# KiCad board PC110.kicad_pcb (continued)
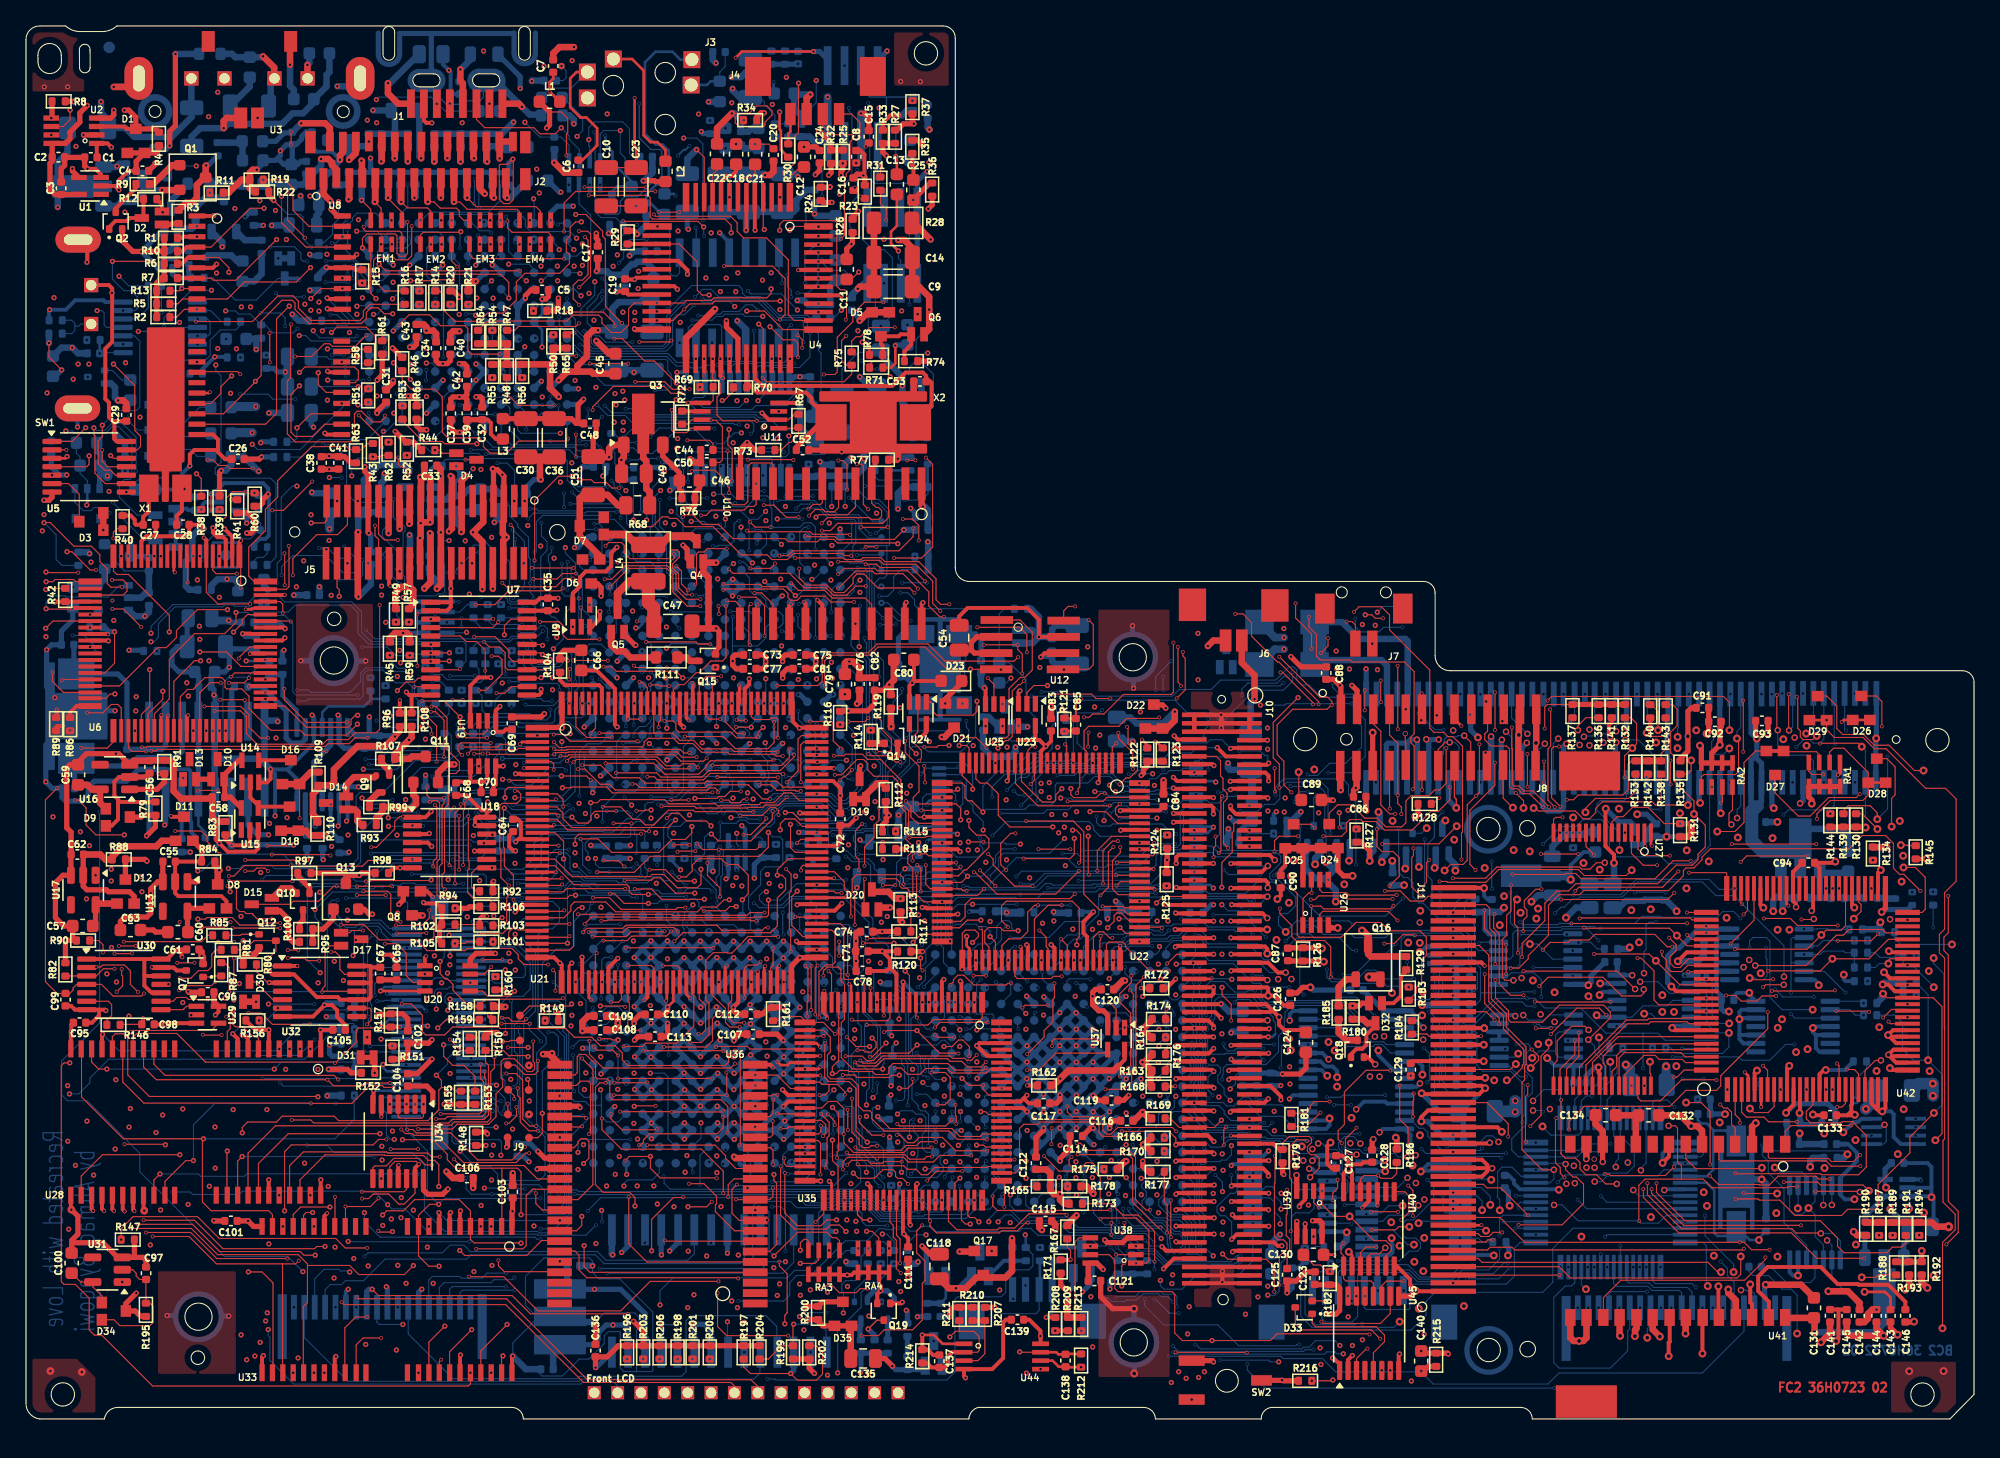
[diagram p0: board, top side]
## Routing (per net, layer and track width the routed paths; a pad name or vN(x,y) marks a point on that pad's centre or on a via; arc(x,y) is an arc through that point) (continued)
CPU_BS16#: length 67.3
  BC1 w0.08: v7(28.96,74.41) 28.67,74.12 28.67,72.43 28.31,72.07 v7(28.31,70.88) ; v7(41.14,40.9) 41.58,40.46 41.58,37.6 41.28,37.3 41.28,35.91 41.57,35.62 41.57,33.62 42.12,33.07 v7(42.86,33.07) ; v7(29.16,61.31) 29.51,61.31 29.7,61.12 29.7,58.46 30.26,57.9 30.26,56.82 29.95,56.51 29.95,54.94 29.64,54.63 29.64,53.76 29.05,53.17 29.05,52.11 29.72,51.44 v7(29.72,41.98) ; v7(28.95,75.71) 28.95,76.28 28.74,76.49 26.88,76.49 26.05,77.32 26.05,77.88 26.29,78.12 27.65,78.12 v7(28.56,79.03)
  BC2 w0.08: v7(29.16,61.31) 28.57,61.9 28.57,63.53 29.17,64.13 29.17,64.88 29.05,65 29.05,68.29 29.2,68.44 29.2,68.74 28.89,69.05 28.73,69.05 28.31,69.47 v7(28.31,70.88) ; v7(28.96,74.41) 28.95,74.42 v7(28.95,75.71) ; v7(28.56,79.03) U51.C11 ; v7(42.86,33.07) 43.5,33.07 43.7,32.87 U76.A6 ; v7(29.72,41.98) 35.27,41.98 35.45,41.8 35.45,41.25 35.79,40.91 41.13,40.91 v7(41.14,40.9)
CPU_D0: length 146.9
  FC1 w0.08: v3(21.91,28.52) 21.91,29.85 22.34,30.28 22.34,31.96 23.43,33.05 24.59,33.05 25.85,34.31 25.85,37.26 24.76,38.35 v1(24.76,38.44)
  IC4 w0.08: v1(24.76,38.44) 24.1,39.1 24.1,44.63 23.46,45.27 23.46,55.34 21.81,56.99 21.81,64.02 23.76,65.97 23.76,71.35 v1(25.09,72.68)
  BC1 w0.08: v7(38.24,73.84) 38.87,73.21 38.87,71.14 39.43,70.58 41.88,70.58 v7(41.94,70.52) 41.94,70.53 ; v7(46.81,54.91) 47.03,55.13 48.96,55.13 49.13,55.3 49.13,56.38 48.89,56.62 48.89,58.66 48.7,58.85 48.7,61.15 49.08,61.53 49.08,62.46 48.9,62.64 48.9,64.34 48.71,64.53 48.71,66.03 v7(48.73,66.05) 48.73,67.65 48.42,67.96 48.42,69.98 48,70.4 46.61,70.4 46.52,70.49 45.85,70.49 v7(45.83,70.51) ; v7(46.81,53.49) 46.81,53.48 ; 46.81,53.48 46.32,52.99 46.32,51.92 45.07,50.67 45.07,46.28 44.43,45.64 44.43,42.97 44.16,42.7 43.38,42.7 42.98,42.3 42.98,40.09 42.47,39.58 42.47,38.92 43.66,37.73 43.66,34.07 44.28,33.45 45.98,33.45 46.05,33.52 60.61,33.52 60.94,33.19 60.94,31.44 v7(61.32,31.06) ; 46.81,53.48 46.8,53.47
  BC2 w0.08: v7(61.32,31.06) 61.4,31.06 U76.R7 ; v7(48.73,66.05) 48.73,66.72 ; U51.D13 30.25,75.43 ; 30.25,75.43 31.27,74.41 34.86,74.41 35.26,74.01 38.07,74.01 v7(38.24,73.84) ; 30.25,75.43 30.24,75.43 29.66,74.85 29.66,74.26 29.44,74.04 25.56,74.04 25.09,73.57 v1(25.09,72.68) ; v7(45.83,70.51) 45.82,70.52 v7(41.94,70.52) ; 29.38,37.78 29.37,37.79 27.99,37.79 27.34,38.44 v1(24.76,38.44) ; v7(46.81,54.91) v7(46.81,53.49)
CPU_D1: length 136
  FC1 w0.08: v1(22.5,33.61) 21.49,32.6 21.49,28.9 v3(21.11,28.52)
  IC1 w0.08: v1(32.02,33.61) 32.06,33.65 47.26,33.65 48.09,32.82 v1(48.09,31.86)
  IC2 w0.08: v1(45.37,79.02) 44.77,78.42 44.77,77.66 45.24,77.19 46.96,77.19 47.46,76.69 47.46,71.17 48.3,70.33 48.3,61.51 48.78,61.03 v1(49.33,61.03)
  IC3 w0.08: v1(32.02,33.61) 31.53,34.1 27.16,34.1 26.39,33.33 24.16,33.33 23.88,33.61 v1(22.5,33.61) ; v1(29.62,81.27) 30.29,80.6 44.48,80.6 45.37,79.71 v1(45.37,79.02)
  IC4 w0.08: v1(48.09,31.86) 48.52,32.29 48.52,36.99 48.37,37.14 48.37,39.39 48.99,40.01 48.99,47.96 49.89,48.86 49.89,60.47 v1(49.33,61.03)
  BC1 w0.08: v7(23.6,39.21) 22.17,37.78 22.17,33.94 v1(22.5,33.61) ; v1(48.09,31.86) 48.83,31.12 59.7,31.12 v7(60.24,30.58) ; v7(30.84,80.85) 30.54,80.85 30.12,81.27 v1(29.62,81.27) ; v7(49.32,62.8) 49.32,61.04 v1(49.33,61.03) ; v7(32.79,80.2) 32.57,80.42 31.67,80.42 31.28,80.03 v7(30.82,80.03)
  BC2 w0.08: U76.P7 60.21,30.61 v7(60.24,30.58) ; v7(32.79,80.2) U51.F10 ; 29.38,37.28 29.37,37.29 28.12,37.29 27.2,38.21 25.7,38.21 25.37,37.88 24.61,37.88 24.32,38.17 24.32,38.49 v7(23.6,39.21) ; v7(30.84,80.85) 30.84,80.05 v7(30.82,80.03) ; v7(49.32,62.8) 49.23,62.89 U61.E5
CPU_D2: length 140.8
  FC1 w0.08: v3(20.31,28.52) 20.82,29.03 20.82,34.33 22.2,35.71 v1(25.2,35.71)
  IC1 w0.08: v1(25.2,35.71) 25.85,36.36 29.8,36.36 30.55,35.61 30.55,33.73 31.18,33.1 31.55,33.1 31.64,33.19 32.02,33.19 32.1,33.11 36.4,33.11 36.77,33.48 45.87,33.48 47.5,31.85 47.5,31.77 50.58,28.69 59.01,28.69 60.2,29.88 63.21,29.88 63.32,29.99 v1(63.83,29.99)
  BC1 w0.08: v1(63.83,29.99) 63.09,29.99 v7(62.92,29.82) ; v7(32.53,65.22) 28.74,65.22 28.28,64.76 28.28,64.1 28.39,63.99 28.39,60.01 27.64,59.26 27.64,56.86 27.29,56.51 27.29,54.74 27.57,54.46 27.57,53.65 27.06,53.14 27.06,51.47 27.61,50.92 v7(27.61,47.38) ; v7(35.21,67.1) 35.55,67.44 37.76,67.44 38.12,67.8 38.12,69.25 38.25,69.38 v7(38.68,69.38) ; v7(46.77,67.24) 46.59,67.24 45.35,68.47 45.35,69.76 v7(45.5,69.91) ; v7(34.23,67.07) 32.58,67.07 v7(32.55,67.1) 28.31,67.1 27.5,67.91 27.5,69.24 28.32,70.06 29.22,70.06 30.79,71.63 30.81,71.63 30.81,73.38 31.66,74.23 31.66,76.82 v7(31.67,76.83) ; v7(26.27,47.38) 25.59,47.38 25.36,47.15 25.36,44.8 24.01,43.45 v7(24.01,39.98)
  BC2 w0.08: 48.73,65.45 48.1,66.09 47.02,66.09 46.77,66.34 v7(46.77,67.24) ; v7(31.67,76.83) 31.6,76.83 U51.E13 ; v7(24.01,39.98) 23.61,39.98 23.29,39.66 23.29,38.75 24.39,37.65 25.29,37.65 ; 25.29,37.65 25.59,37.65 25.91,37.97 27.11,37.97 27.37,37.71 27.37,37.53 28.11,36.79 29.37,36.79 29.38,36.78 ; 25.29,37.65 25.3,37.64 25.3,35.81 v1(25.2,35.71) ; U76.T8 62.8,29.82 v7(62.92,29.82) ; v7(45.5,69.91) 45.49,69.92 43.19,69.92 43.08,69.81 39.11,69.81 v7(38.68,69.38) ; v7(35.21,67.1) 34.97,67.34 34.5,67.34 v7(34.23,67.07) ; v7(32.53,65.22) 32.55,65.24 v7(32.55,67.1) ; v7(26.27,47.38) v7(27.61,47.38)
CPU_D3: length 184.2
  FC2 w0.08: v3(22.58,35.32) 21.63,35.32 21.44,35.51 v3(20.18,35.51) ; v3(15.91,37.83) 19.57,37.83 v3(19.58,37.82)
  FC1 w0.08: v1(16.44,33.55) 16.44,36.28 16.35,36.37 16.35,36.91 15.91,37.35 v3(15.91,37.83) ; v1(23.75,35.27) 23.74,35.26 23.09,35.26 23.02,35.33 22.59,35.33 v3(22.58,35.32) ; v3(19.51,28.52) 19.51,28.84 20.33,29.66 20.33,34.65 20.2,34.78 20.2,35.49 v3(20.18,35.51) 19.58,36.11 v3(19.58,37.82)
  IC2 w0.08: v1(24.82,13.68) 24.82,14.43 24.16,15.09 24.16,33.02 23.75,33.43 v1(23.75,35.27)
  BC1 w0.08: v1(16.44,33.55) 15.94,34.05 15.94,39.73 16.24,40.03 16.24,52.97 17.99,54.72 21.12,54.72 21.56,55.16 21.56,62.19 23.68,64.31 23.68,66.49 22.9,67.27 v7(22.9,75.06) ; v7(29.34,36.29) 29.31,36.26 24.73,36.26 23.75,35.28 v1(23.75,35.27) ; v7(25.59,75.07) 30.95,75.07 31.3,75.42 31.3,77.68 31.73,78.11 32.11,78.11 ; v7(59.57,25.14) 58.89,25.14 58.48,24.73 40.46,24.73 40.25,24.94 36.45,24.94 34.86,23.35 34.86,17.19 34.16,16.49 v7(34.16,13.66) ; 32.11,78.11 32.44,78.11 32.58,77.97 v7(32.58,75.62) ; 32.11,78.11 32.12,78.12 v7(32.12,78.7) ; v7(44.22,74.1) 44.85,73.47 44.85,72.57 v7(45.11,72.31)
  BC2 w0.08: v7(25.59,75.07) 25.58,75.06 v7(22.9,75.06) ; v7(44.22,74.1) 44.22,74.32 43.93,74.61 42.51,74.61 42.23,74.89 35.97,74.89 35.24,75.62 v7(32.58,75.62) ; v7(45.11,72.31) 45.3,72.12 45.3,71.73 46.27,70.76 46.27,69.02 46.47,68.82 46.64,68.82 47.47,67.99 ; v7(34.16,13.66) 24.84,13.66 v1(24.82,13.68) ; U51.F11 32.79,79.37 v7(32.12,78.7) ; v7(59.57,25.14) 59.52,25.19 59.52,28.66 60.07,29.21 60.82,29.21 U76.R8
CPU_D4: length 185
  FC2 w0.08: U28.7 17.91,29.34 17.71,29.53 17.41,29.53 16.72,30.22 16.13,30.22 15.94,30.41 v1(15.94,31.49)
  IC1 w0.08: v1(15.94,31.49) 18.2,31.49 v1(18.68,31.97)
  IC4 w0.08: v1(18.68,31.97) 18.68,32.87 19.18,33.37 19.18,42.21 21.21,44.24 21.21,54.91 19.25,56.87 19.25,81.55 20.81,83.11 21.25,83.11 22.01,83.87 v1(22.13,83.87)
  BC1 w0.08: v7(37.66,78.73) 37.66,76.23 38.15,75.74 40.49,75.74 40.76,75.47 40.76,71.81 40.93,71.64 41.84,71.64 v7(42.07,71.41) ; 23.32,34.22 25.19,34.22 26.19,35.22 29.27,35.22 v7(29.34,35.29) ; 23.32,34.22 23.32,33.56 22.21,32.45 v7(22.21,31.96) ; 23.32,34.22 23.32,38.37 24.58,39.63 25.46,39.63 26.07,40.24 26.07,44.5 v7(26.06,44.51) ; v7(35.56,46.03) 35.57,46.02 v7(35.57,45.39) ; v7(43.41,42.18) 43.7,42.47 44.22,42.47 45.01,41.68 45.01,37.54 44.71,37.24 44.71,34.95 45.21,34.45 54.39,34.45 54.62,34.22 58.07,34.22 58.91,35.06 59.78,35.06 60.25,35.53 v7(60.54,35.53) ; v7(35.21,78.75) 35.21,78.98 35.01,79.18 35.01,79.75 35.14,79.88 35.14,82.05 34.97,82.22 33.61,82.22 v7(33.39,82) ; v7(41.3,46.03) 41.29,46.02 v7(41.29,44.73) ; v7(25.5,83.45) 25.5,82.57 26.11,81.96 29.59,81.96 30.57,82.94 33.38,82.94 v7(33.39,82.95) ; v7(47.23,66.63) 46.66,66.06 v7(45.32,66.06) ; v7(43.78,70.82) v7(43.78,68.99)
  BC2 w0.08: v7(47.23,66.63) 47.38,66.63 47.47,66.72 ; v1(18.68,31.97) 22.2,31.97 v7(22.21,31.96) ; v7(41.29,44.73) 42.6,44.73 42.88,44.45 42.88,42.71 v7(43.41,42.18) ; v7(35.57,45.39) 35.57,44.85 35.18,44.46 34.46,44.46 34.3,44.62 26.17,44.62 v7(26.06,44.51) ; v7(43.78,70.82) 42.66,70.82 v7(42.07,71.41) ; v7(35.21,78.75) 37.64,78.75 v7(37.66,78.73) ; v7(35.56,46.03) v7(41.3,46.03) ; v7(60.54,35.53) 60.88,35.19 60.88,30.54 U76.P8 ; v7(25.5,83.45) 25.36,83.31 22.62,83.31 22.13,83.8 v1(22.13,83.87) ; v7(33.39,82.95) v7(33.39,82) 33.38,81.99 U51.F9 ; v7(45.32,66.06) 44.68,66.06 44.36,66.38 44.36,68.78 44.15,68.99 v7(43.78,68.99)
CPU_D5: length 147.4
  FC2 w0.3: U28.8 17.11,29.3 16.8,29.6 v1(16.66,29.6)
  IC1 w0.08: v1(63.83,29.3) 61.37,29.3 60.56,28.49 49.58,28.49 47.11,30.96 43.75,30.96 43.09,31.62 41.73,31.62 41.05,30.94 29.89,30.94 27.86,28.91 25.79,28.91 25.4,29.3 18.64,29.3 18.29,29.65 16.71,29.65 v1(16.66,29.6)
  BC1 w0.08: v7(48.51,64.15) 48.51,64.42 48.41,64.52 48.41,67.69 48.24,67.86 48.24,69.66 47.7,70.2 45.15,70.2 44.94,69.99 v7(44.94,69.63) ; v1(16.66,29.6) 17.79,28.47 v7(17.79,28.01) ; v7(27.93,66.47) 34.59,66.47 ; 34.59,66.47 35.24,66.47 35.59,66.82 v7(39.19,66.82) ; 34.59,66.47 34.59,67.52 34.02,68.09 34.02,68.67 33.18,69.51 32.89,69.51 31.32,71.08 31.32,73.36 32.26,74.3 v7(32.26,77.41) ; v7(27.05,37.61) 27.41,37.97 27.41,39.45 26.9,39.96 26.9,50.6 26.44,51.06 26.44,53.25 v7(27.01,53.82) 27.01,54.38 26.89,54.5 26.89,56.69 27.26,57.06 27.26,61.55 27.62,61.91 27.85,61.91 28.02,62.08 28.02,63.76 27.86,63.92 v7(27.86,65.49) ; v7(26.91,34.8) 26.48,34.8 26.44,34.76 26.44,34.45 23.6,31.61 23.6,29.99 22.83,29.22 v7(22.23,29.22) ; v1(63.83,29.3) 63.3,29.3 63.12,29.12 v7(62.79,29.12)
  BC2 w0.08: v7(27.05,37.61) 27.05,34.94 v7(26.91,34.8) 26.92,34.79 29.37,34.79 29.38,34.78 ; U76.T9 62.75,29.08 v7(62.79,29.12) ; v7(44.94,69.63) 39.81,69.63 39.31,69.13 39.31,66.94 v7(39.19,66.82) ; v7(17.79,28.01) 21.02,28.01 v7(22.23,29.22) ; v7(27.93,66.47) 27.93,65.56 v7(27.86,65.49) ; v7(32.26,77.41) 32.26,77.42 32.79,77.95 U51.F12 ; 48.73,64.18 48.71,64.15 v7(48.51,64.15)
CPU_D6: length 163.8
  FC2 w0.3: v1(15.93,29.68) 16.31,29.31 U28.9
  IC3 w0.08: v1(64.74,24.2) 64.64,24.3 63.67,24.3 63.34,24.63 39.63,24.63 38.84,23.84 v1(18.56,23.84)
  BC1 w0.08: v7(24.76,31.52) 26.62,31.52 v7(26.63,31.51) ; v7(18.03,30.22) 18.03,29.84 18.56,29.31 v1(18.56,23.84) ; v7(47.42,65.54) 47.42,65.98 47.55,66.11 47.55,67.7 v7(45.81,69.44) ; v7(61.54,29.14) 61.54,28.75 62.02,28.27 62.94,28.27 63.13,28.08 63.13,27.73 63.61,27.25 v7(64.08,27.25) ; v7(30.83,75.38) 25.4,75.38 25.24,75.22 25.24,74.83 25.63,74.44 25.63,71.5 24.93,70.8 24.93,67.02 24.5,66.59 24.5,64.81 24.85,64.46 24.85,60.87 24.33,60.35 22.87,60.35 22.13,59.61 22.13,55.9 23,55.03 23,53.4 16.74,47.14 16.74,39.91 18.02,38.63 18.02,30.26 18.01,30.25 ; v7(36.13,77.42) 36.13,75.02 37.93,73.22 37.93,70.65 38.44,70.14 v7(38.86,70.14)
  BC2 w0.08: v7(36.13,77.42) 33.3,77.42 U51.F13 31.26,75.38 v7(30.83,75.38) ; 29.38,34.28 26.82,34.28 26.53,33.99 26.53,32.01 26.63,31.91 v7(26.63,31.51) ; v7(45.81,69.44) 45.81,70.01 45.59,70.23 42.99,70.23 42.74,69.98 39.48,69.98 39.32,70.14 v7(38.86,70.14) ; v7(47.42,65.54) 47.42,65.5 47.47,65.45 ; v7(64.08,27.25) 64.44,27.25 64.95,26.74 64.95,25.49 64.74,25.28 v1(64.74,24.2) ; v7(61.54,29.14) 61.48,29.08 U76.R9 ; v7(24.76,31.52) 19.33,31.52 v7(18.03,30.22) 16.47,30.22 v1(15.93,29.68)
CPU_D7: length 161.6
  FC2 w0.08: v3(15.43,31) 15.57,31 15.73,30.84 15.73,30.07 15.51,29.85 U28.10
  FC1 w0.08: v3(15.43,31) 15.43,32.34 v1(15.34,32.43)
  IC4 w0.08: v1(22.26,39.27) 22.26,40.24 22.11,40.39 22.11,40.86 22.28,41.03 22.28,44.18 23.1,45 23.1,55.28 21.57,56.81 21.57,64.26 22.87,65.56 22.87,72.88 20.33,75.42 20.33,79.63 20.82,80.12 23.18,80.12 v1(23.24,80.06)
  BC1 w0.08: v7(49.5,28.07) 50.76,28.07 51.14,28.45 59.37,28.45 v7(59.82,28) ; v7(42.46,69.33) 42.46,70.46 42.08,70.84 39.68,70.84 39.13,71.39 39.13,73.8 38.66,74.27 37.7,74.27 36.48,75.49 36.48,78.88 35.65,79.71 35.65,81.99 35.05,82.59 v7(34.03,82.59) 32.45,82.59 31.46,81.6 31.46,80.64 31.19,80.37 30.2,80.37 30.07,80.5 26.1,80.5 26,80.4 v7(26,80.02) ; v7(46.79,34.1) 46.43,34.1 46.27,34.26 44.97,34.26 44.5,34.73 44.5,37.87 44.74,38.11 44.74,40.39 v7(44.03,41.1) ; v7(26.87,32.64) 25.64,32.64 v7(25.56,32.72) ; v7(49.48,28.98) 48.88,28.98 47.48,30.38 47.48,32.33 v7(46.81,33)
  BC2 w0.08: 23.21,32.93 23.21,37.7 22.26,38.65 v1(22.26,39.27) 22.27,39.27 23.61,40.61 34.08,40.61 34.74,39.95 35.5,39.95 36.05,40.5 41.22,40.5 41.53,40.81 41.53,41.1 41.85,41.42 42.72,41.42 42.85,41.29 43.84,41.29 v7(44.03,41.1) ; 23.21,32.93 15.84,32.93 v1(15.34,32.43) ; 23.21,32.93 25.35,32.93 v7(25.56,32.72) ; v7(49.5,28.07) 49.48,28.09 v7(49.48,28.98) ; v7(34.03,82.59) 34.06,82.56 U51.G9 ; v1(23.24,80.06) 25.96,80.06 v7(26,80.02) ; v7(46.81,33) 46.79,33.02 v7(46.79,34.1) ; 46.2,67.99 46.2,68.46 45.32,69.33 v7(42.46,69.33) ; v7(26.87,32.64) 26.87,33.54 27.11,33.78 29.38,33.78
  BC2 w0.2: v7(59.82,28) 59.82,28.21 U76.P9
CPU_D8: length 155.8
  FC2 w0.08: U28.35 15.48,17.27 15.48,20.62 v1(15.51,20.65)
  IC1 w0.08: v1(33.44,20.64) 31.58,20.64 31.15,20.21 28.87,20.21 28.13,19.47 27.05,19.47 26.28,20.24 25.87,20.24 25.36,20.75 15.93,20.75 15.83,20.65 v1(15.51,20.65)
  IC2 w0.08: v1(34.44,73.23) 34.44,71.17 35.31,70.3 35.31,67.09 33.36,65.14 32.89,65.14 32.26,64.51 32.26,61.64 31.08,60.46 31.08,53.45 31.4,53.13 31.4,49.11 30.66,48.37 30.66,41.2 31.62,40.24 31.62,38.52 30.16,37.06 30.16,30.51 31.04,29.63 32.02,29.63 32.24,29.85 32.24,30.36 31.61,30.99 v1(31.61,31.58)
  IC4 w0.08: v1(33.44,20.64) 33.4,20.68 33.4,29.79 v1(31.61,31.58)
  BC1 w0.08: v1(34.44,73.23) 34.44,74.16 34.63,74.35 v7(35.43,74.35) 35.43,75.12 v7(34.61,75.94) ; v7(44.29,71.15) 44.31,71.13 44.31,67.65 45.34,66.62 v7(45.95,66.62) ; v7(58.69,18.89) 58.69,15.29 57.76,14.36 40.5,14.36 39.95,14.91 v7(39.95,16.03)
  BC2 w0.08: U51.G13 34.06,76.49 34.61,75.94 v7(34.61,75.94) ; 34.33,33.28 34.32,33.29 32.61,33.29 32.46,33.14 31.67,33.14 31.46,32.93 31.46,32.28 31.61,32.13 v1(31.61,31.58) ; v7(39.95,16.03) 39.95,17.61 39.51,18.05 36.56,18.05 36.33,18.28 36.33,18.87 35.71,19.49 34.58,19.49 33.44,20.63 v1(33.44,20.64) ; v7(35.43,74.35) 41.19,74.35 41.69,73.85 41.69,72.34 42.56,71.47 43.97,71.47 v7(44.29,71.15) ; U76.R10 61.12,27.33 60.88,27.09 60.88,23.27 60.49,22.88 60.06,22.88 59.61,22.43 59.61,19.25 59.25,18.89 v7(58.69,18.89) ; 46.2,66.72 46.1,66.62 v7(45.95,66.62)
CPU_D9: length 128.6
  FC2 w0.08: U28.36 16.31,19.88 v1(16.65,20.22)
  BC1 w0.08: 38.77,33.59 v7(37.24,33.59) ; 38.77,33.59 v7(38.77,30.44) ; 38.77,33.59 38.94,33.59 39.12,33.77 39.12,42.47 39.24,42.59 39.24,52.72 38.93,53.03 38.93,56.3 38.4,56.83 38.4,58.44 38.01,58.83 37.13,58.83 37,58.96 37,59.59 37.57,60.16 37.57,61.91 37.89,62.23 37.89,62.98 38.12,63.21 v7(39.09,63.21) ; v7(44.69,29.19) 45.16,28.72 45.73,28.72 46.03,28.42 49.93,28.42 51.29,29.78 59.32,29.78 60.26,28.84 v7(60.26,27.9) ; v7(46.19,64.79) 45.62,64.22 ; v7(37.07,70.52) 37.06,70.53 37.06,70.55 34.7,70.55 33.2,72.05 33.2,75.25 33.81,75.86 33.81,76.3 33.4,76.71 v7(33.4,78.12) ; v7(39.67,29.1) 40.11,28.66 v7(42.1,28.66) ; v7(26.84,20.19) 26.84,20.67 26.19,21.32 26.19,26.54 29.75,30.1 29.75,32.5 30.29,33.04 v7(31.06,33.04) ; 45.62,64.22 44.26,64.22 43.88,64.6 40.65,64.6 40.53,64.48 39.36,64.48 39.29,64.41 v7(38.83,64.41) ; 45.62,64.22 44.28,64.22
  BC2 w0.08: v7(38.77,30.44) 38.77,30.01 39.67,29.11 v7(39.67,29.1) ; v7(31.06,33.04) 31.06,33.54 31.51,33.99 32.37,33.99 32.57,33.79 35.87,33.79 36.07,33.59 v7(37.24,33.59) ; U76.P10 60.21,27.85 v7(60.26,27.9) ; v7(39.09,63.21) 39.09,63.45 38.83,63.71 v7(38.83,64.41) 38.84,64.42 38.84,66.28 38.71,66.41 38.71,67.94 37.88,68.77 37.88,68.97 37.26,69.59 37.26,70.33 v7(37.07,70.52) ; v7(26.84,20.19) 26.81,20.22 v1(16.65,20.22) ; 46.2,65.45 46.2,64.8 v7(46.19,64.79) ; v7(33.4,78.12) 33.46,78.18 U51.G12 ; v7(44.69,29.19) 42.63,29.19 v7(42.1,28.66)
CPU_D10: length 130.2
  FC2 w0.08: v6(36.08,27.9) 36.08,27.04 35.8,26.76 35.8,23.15 35.54,22.89 33.01,22.89 32.76,22.64 30.12,22.64 30.07,22.59 19.21,22.59 17.11,20.49 17.11,17.27 17.08,17.24
  IC1 w0.08: v6(36.08,27.9) 36.6,27.38 39,27.38 40.16,26.22 44.75,26.22 45.18,26.65 v1(46.84,26.65)
  IC2 w0.08: v1(36.92,34.61) 36.99,34.68 36.99,35.05 36.77,35.27 36.77,37.13 35.63,38.27 35.63,39.24 36.6,40.21 36.6,45.15 36.46,45.29 36.46,48.09 37.35,48.98 37.35,49.18 37.34,49.2 37.34,51.12 38.06,51.84 38.06,73.96 35.92,76.1 v1(35.31,76.1)
  IC4 w0.08: v6(36.08,27.9) 35.3,28.68 35.3,34.22 35.69,34.61 v1(36.92,34.61)
  BC1 w0.08: v7(44.86,68.11) 44.86,68.82 44.63,69.05 44.63,71.45 43.81,72.27 v7(43.81,74.15) ; v1(35.31,76.1) 34.97,76.44 34.51,76.44 34.27,76.2 v7(34.27,74.69) ; v1(46.84,26.65) 47.5,25.99 v7(61.32,25.99)
  BC2 w0.08: v1(35.31,76.1) 35.33,76.12 ; v7(44.86,68.11) 44.86,68.06 44.93,67.99 ; v7(34.27,74.69) 41.85,74.69 42.39,74.15 v7(43.81,74.15) ; v1(36.92,34.61) 36.18,34.61 35.86,34.29 J15.53
  BC2 w0.4: 35.33,76.12 U51.H13
CPU_D11: length 136.6
  FC2 w0.08: v1(27.27,21.98) 20.2,21.98 17.91,19.69 U28.38
  IC2 w0.08: v1(27.27,21.98) 27.27,22.55 27.85,23.13 33,23.13 34.51,24.64 34.51,27.18 36.04,28.71 v1(36.04,28.9)
  BC1 w0.08: v7(60.24,26.64) 59.62,27.26 46.84,27.26 46.71,27.13 45.89,27.13 45.76,27.26 42.8,27.26 42.61,27.07 35.89,27.07 34.3,28.66 34.3,28.91 ; v7(34.87,66.78) 34.87,67.35 35.19,67.67 35.19,69.12 v7(35.82,69.75) ; v7(29.26,40.9) 29.26,46.15 28.82,46.59 28.82,49.53 28.88,49.59 28.88,51.64 28.45,52.07 28.24,52.07 27.94,52.37 27.94,52.75 28.66,53.47 28.66,54.77 28.25,55.18 28.25,57.56 28.39,57.7 28.39,59.02 28.32,59.09 28.32,59.54 28.58,59.8 28.58,64.1 28.47,64.21 28.47,64.57 28.95,65.05 31.61,65.05 31.78,64.88 32.77,64.88 v7(33.18,65.29) 33.21,65.32 43.27,65.32 43.43,65.48 v7(43.43,66.2) ; 34.3,28.91 34.3,34.78 v7(34.29,34.79) 34.29,36.17 35.01,36.89 v7(35.01,40.45) ; 34.3,28.91 34.31,28.9 v1(36.04,28.9) ; v7(34.65,81.94) 34.28,81.94 34.04,81.7 34.04,75.37 33.39,74.72 33.39,72.35 34.9,70.84 v7(35.82,70.84)
  BC2 w0.08: v7(43.43,66.2) 43.66,66.43 43.66,66.72 ; v7(29.26,40.9) 34.56,40.9 v7(35.01,40.45) ; v7(35.82,70.84) v7(35.82,69.75) ; v7(60.24,26.64) 60.21,26.61 U76.P11 ; v7(34.87,66.78) 34.45,66.78 33.18,65.51 v7(33.18,65.29) ; v7(34.65,81.94) 34.7,81.99 U51.H9
CPU_D12: length 136.4
  FC1 w0.08: v1(20,26.94) 20,17.74 v3(19.51,17.24)
  IC3 w0.08: 37.32,27.36 30.67,27.36 30.58,27.44 28.87,27.44 28.43,27.88 26.91,27.88 26.48,27.45 22.08,27.45 21.57,26.94 v1(20,26.94) ; 37.32,27.36 37.32,29.32 v1(36.93,29.71) ; 37.32,27.36 62.58,27.36 63.45,26.48 v1(63.45,25.36)
  BC1 w0.08: v7(43.91,68.56) 43.91,68.19 44.12,67.98 44.12,66.32 44.94,65.5 46.4,65.5 46.94,64.96 46.94,64.24 v7(47.47,63.71) ; v7(37.54,63.26) 37.54,62.24 34.98,59.68 34.98,58.8 35.23,58.55 36.6,58.55 36.77,58.38 36.77,57.75 36.63,57.61 36.63,57.37 36.21,56.95 36.21,56.29 36.96,55.54 36.96,52.13 37.23,51.86 37.23,49.48 38.28,48.43 38.28,45.64 36.56,43.92 36.56,41.08 35.35,39.87 35.35,38.16 36.17,37.34 v7(36.55,37.34) ; v7(42.69,68.55) 42.69,66.78 42.57,66.66 41.13,66.66 41.03,66.76 40.48,66.76 40.23,66.51 v7(38.39,66.51) ; v7(34.68,77.73) 35.73,76.68 35.73,74.75 37.43,73.05 37.43,68.6 v7(37.48,68.55)
  BC2 w0.08: U51.H12 35.12,78.18 34.68,77.74 v7(34.68,77.73) ; v7(42.69,68.55) 43.9,68.55 v7(43.91,68.56) ; 36.55,36.39 35.99,36.39 35.76,36.16 35.76,35.95 35.6,35.79 J15.56 ; 36.55,36.39 37.58,36.39 38.84,35.13 38.84,33.13 38.28,32.57 37.15,32.57 36.45,31.87 36.45,31.12 36.93,30.64 v1(36.93,29.71) ; 36.55,36.39 v7(36.55,37.34) ; v7(37.54,63.26) 38.39,64.11 v7(38.39,66.51) 38.39,67.64 v7(37.48,68.55) ; U76.T12 63.32,25.36 v1(63.45,25.36) ; v7(47.47,63.71) 47.47,64.18
CPU_D13: length 123
  FC2 w0.08: U28.41 20.31,19.52 21.37,20.58 27.76,20.58 27.85,20.49 30.96,20.49 31.25,20.2 v3(31.87,20.2)
  FC1 w0.08: v3(31.87,20.2) 32.3,20.63 32.3,23.61 31.83,24.08 31.83,25.78 v1(32.67,26.62)
  IC2 w0.08: v1(32.67,26.62) 33.18,27.13 33.18,35.2 32.69,35.69 v1(32.66,35.69)
  IC3 w0.08: v1(32.67,26.62) 40.49,26.62 41.06,26.05 61.62,26.05 62.23,25.44 v1(62.23,25.36)
  BC1 w0.08: v7(37.69,67.14) 38.36,67.14 39.13,67.91 39.71,67.91 v7(40.49,67.13) ; v1(32.66,35.69) 33.21,36.24 33.21,37.67 32.92,37.96 32.92,40.27 33.29,40.64 33.29,41.79 33.47,41.97 33.47,50.05 33.61,50.19 33.61,50.73 33.46,50.88 33.46,53.19 34.09,53.82 34.09,57.75 34.4,58.06 34.4,59.66 v7(37.24,62.5) ; v7(44.93,64.79) 43.97,64.79 43.96,64.79 v7(40.35,64.79) ; v7(38.54,62.52) 39.73,62.52 v7(40.35,63.14) ; v7(35.42,79.26) 35.74,78.94 35.74,77.14 35.92,76.96 35.92,74.87 37.63,73.16 37.63,68.99 37.88,68.74 37.88,68.38 37.69,68.19 37.69,67.8 v7(37.68,67.79)
  BC2 w0.08: v7(35.42,79.26) 35.42,79.36 U51.H11 ; v7(38.54,62.52) 38.52,62.5 v7(37.24,62.5) ; v7(40.49,67.13) 40.49,66.81 40.24,66.56 40.24,66.1 40.35,65.99 v7(40.35,64.79) v7(40.35,63.14) ; v7(37.69,67.14) 37.69,67.78 v7(37.68,67.79) ; v1(62.23,25.36) 62.22,25.36 61.65,24.79 U76.R12 ; v7(44.93,64.79) 44.93,65.45
  BC2 w0.2: v1(32.66,35.69) 32.66,36.09 32.86,36.29 J15.57
CPU_D14: length 126.4
  FC2 w0.08: v1(31.8,17.91) 31.8,19.6 31.47,19.93 30.99,19.93 30.62,20.3 27.68,20.3 27.63,20.35 23.03,20.35 21.11,18.43 U28.42
  BC1 w0.08: v7(34.42,38.32) 34.42,36.78 34,36.36 34,28.14 ; v7(43.14,75.07) 43.14,72.6 43.2,72.54 43.2,66.63 v7(42.64,66.07) 41.73,66.07 v7(41.72,66.06) ; v7(41.67,63.92) 41.65,63.9 39.96,63.9 39.65,63.59 37.39,63.59 36.89,63.09 36.89,62.53 34.56,60.2 34.25,60.2 34.16,60.11 34.16,58.19 33.87,57.9 33.87,55.85 33.59,55.57 33.43,55.57 32.57,54.71 32.57,50.84 32.43,50.7 32.43,50.18 32.56,50.05 32.56,42.28 33.08,41.76 33.08,40.7 32.71,40.33 32.71,37.88 33.02,37.57 33.02,37.12 32.83,36.93 v7(32.83,36.66) ; 60.28,25.35 59.85,25.78 46.91,25.78 45.63,27.06 42.93,27.06 42.76,26.89 35.77,26.89 34.52,28.14 33.99,28.14 33.31,27.46 33.31,23.68 32.81,23.18 32.81,21.38 31.8,20.37 v1(31.8,17.91)
  BC2 w0.08: v7(42.64,66.07) 42.64,65.72 42.91,65.45 43.66,65.45 ; U76.P12 60.21,25.28 v7(60.27,25.34) ; v7(41.67,63.92) 41.68,63.93 41.68,66.02 v7(41.72,66.06) ; 34.33,36.78 35.8,36.78 36.12,37.1 36.12,37.72 35.52,38.32 v7(34.42,38.32) ; U51.J13 36.6,75.85 37.38,75.07 v7(43.14,75.07)
  BC2 w0.2: v7(32.83,36.66) 32.96,36.79 J15.58
CPU_D15: length 150.7
  FC1 w0.08: v3(21.91,17.24) 22.59,17.92 v1(23.28,17.92)
  IC1 w0.08: v1(35.57,47.56) 35.57,47.71 34.98,48.3 32.39,48.3 31.47,49.22 31.47,55.2 35.73,59.46 38.51,59.46 39.17,60.12 39.96,60.12 40.62,59.46 v1(40.62,59.35) ; v1(23.28,17.92) 23.94,17.26 28.12,17.26 28.71,16.67 31.16,16.67 31.59,17.1 32.55,17.1 32.65,17 47.84,17 48.28,16.56 v1(48.63,16.56)
  IC2 w0.08: v1(35.57,47.56) 35,47.56 34.09,46.65 34.09,41.45 35.19,40.35 35.19,37.74 34.74,37.29 v1(32.59,37.29) 32.59,36.69 33.4,35.88 33.4,26.36 32.94,25.9 31.26,25.9 29.66,24.3 27.68,24.3 26.85,23.47 26.85,21.64 27.01,21.48 27.78,21.48 28.07,21.19 28.07,20.59 v1(27.43,19.95)
  IC4 w0.08: v1(27.43,19.95) 24.08,19.95 23.28,19.15 v1(23.28,17.92)
  BC1 w0.08: v7(63.18,18.94) 62.95,19.17 62.95,22.93 v7(63.45,23.43) ; v7(41.44,71.33) 40.85,71.33 40.39,71.79 v7(40.39,75.36) ; v7(39.97,62.34) 40.4,62.77 41.27,62.77 42.31,61.73 45.03,61.73 45.3,62 45.3,62.66 v7(46.17,63.53) ; v1(48.63,16.56) 49.1,16.56 49.34,16.8 53.61,16.8 54.41,17.6 v7(54.41,17.98) ; v7(39.7,69.07) 40.32,69.69 40.86,69.69 v7(41.44,70.27)
  BC2 w0.08: v7(63.18,18.94) 62.22,17.98 v7(54.41,17.98) ; U76.T13 62.8,23.47 63.41,23.47 v7(63.45,23.43) ; v7(39.7,69.07) 39.7,68.05 40.14,67.61 40.14,66.94 39.65,66.45 39.65,62.66 v7(39.97,62.34) 40.52,61.79 40.72,61.79 41.38,61.13 41.38,60.11 v1(40.62,59.35) ; v7(41.44,71.33) v7(41.44,70.27) ; v7(40.39,75.36) 38.13,75.36 37.27,76.22 37.27,77.84 37.28,77.85 37.28,77.89 36.99,78.18 U51.J12 ; 46.2,64.18 46.2,63.56 v7(46.17,63.53) ; v1(32.59,37.29) 32.6,37.28
  BC2 w0.3: v1(32.59,37.29) J15.59
CPU_D16: length 165.6
  FC2 w0.08: 36.66,19.33 33.11,19.33 32.45,19.98 32.45,20.4 31.33,21.52 v1(29,21.52) ; 36.66,19.33 36.66,14.81 ; 36.66,19.33 37.86,19.33 38.13,19.05 v1(38.13,15.74)
  IC3 w0.08: v1(25.47,91.53) 26,92.06 42.25,92.06 42.42,91.89 42.98,91.89 43.31,91.56 43.31,90.26 42.61,89.56 42.09,89.56 41.71,89.18 41.71,86.74 42.31,86.14 46.03,86.14 v1(46.89,85.28)
  BC1 w0.08: v7(40.06,32.21) 40.06,32.67 39.9,32.83 39.9,41.13 40.03,41.26 40.03,53.45 40.69,54.11 41.15,54.11 41.41,54.37 41.41,54.83 41.72,55.14 41.94,55.14 42.03,55.23 42.45,55.23 42.55,55.13 46.16,55.13 46.56,55.53 48.66,55.53 48.72,55.59 48.72,56.04 48.42,56.34 48.42,58.27 48.07,58.62 48.07,61.98 47.52,62.54 v7(47.48,62.54) ; v7(42.89,23.38) 54.96,23.38 55.43,22.91 55.43,20.99 55.89,20.53 56.36,20.53 57.97,22.14 59,22.14 59.63,22.77 v7(59.63,23.11) ; v7(49,64.74) 49,65.04 49.27,65.31 49.27,67.59 48.81,68.05 48.81,69.79 49.47,70.45 49.65,70.45 49.96,70.76 49.96,71.13 50.01,71.18 50.01,71.8 49.84,71.97 48.54,71.97 47.52,72.99 47.52,83.22 47.44,83.3 47.44,85.12 47.28,85.28 v1(46.89,85.28) ; v1(29,21.52) 28.93,21.59 28.93,26.93 v7(29.29,27.29)
  BC2 w0.08: v7(49,64.74) 48.47,64.74 48.15,64.42 48.15,63.6 47.47,62.91 ; U51.B2 27.06,91.53 v1(25.47,91.53) ; U76.P13 59.8,23.11 v7(59.63,23.11) ; 41.65,23.37 41.64,23.36 41.64,15.86 41.52,15.74 v1(38.13,15.74) ; 41.65,23.37 41.64,23.38 41.64,29.59 41.36,29.87 41.36,31.89 41.04,32.21 v7(40.06,32.21) ; 41.65,23.37 41.66,23.38 v7(42.89,23.38) ; v7(47.48,62.54) U61.D5